# KiCad board Batch 1.kicad_pcb (continued)
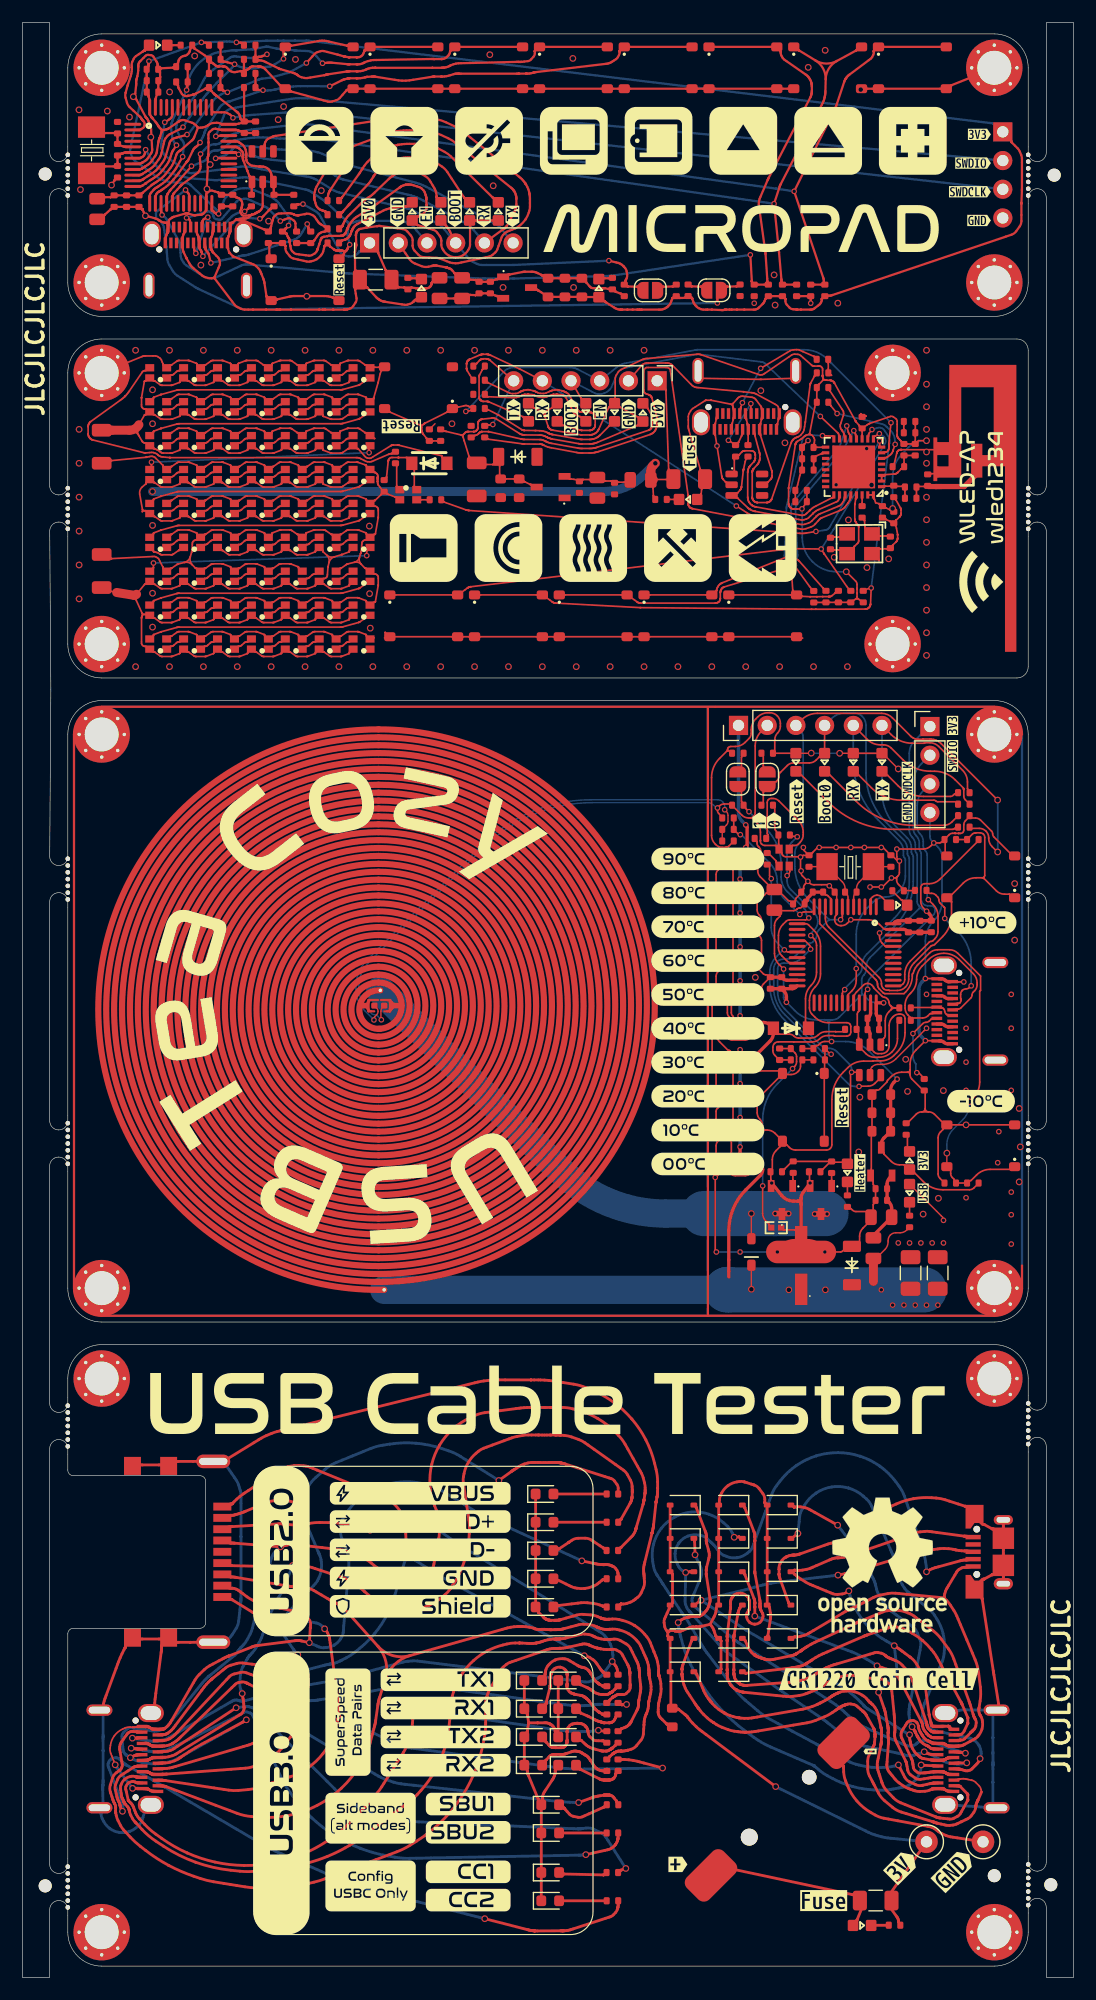
[diagram p0: board, top side]
## Routing (per net, layer and track width the routed paths; a pad name or vN(x,y) marks a point on that pad's centre or on a via; arc(x,y) is an arc through that point) (continued)
  Top w0.2: v2(15.82,171.25) 16.22,171.21 arc(16.22,171.21) 16.23,171.21 R4.1 ; v2(11.18,169.59) 11.15,169.3 arc(11.15,169.28) 11.14,169.27 11.14,169.24 arc(11.14,169.22) 11.14,169.21 11.14,169.19 arc(11.14,169.19) 11.14,169.19 11.14,169.19 arc(11.14,169.19) 11.14,169.19 arc(11.14,169.19) 11.14,169.18 11.03,168.97 arc(10.99,168.87) 10.98,168.76 10.98,168.7 arc(10.98,168.65) 10.98,168.6 10.98,168.13 arc(10.99,168.08) 10.99,168.03 10.99,167.97 arc(10.99,167.86) 10.99,167.75 10.99,166.96 arc(11,166.85) 11.04,166.75 11.15,166.54 arc(11.15,166.53) 11.15,166.53 arc(11.15,166.53) 11.15,166.52 11.15,166.51 arc(11.15,166.5) 11.16,166.48 11.16,166.45 arc(11.16,166.44) 11.17,166.42 11.21,166.26 arc(11.24,166.11) 11.25,165.96 11.25,165.01 arc(11.27,164.89) 11.32,164.77 11.38,164.67 arc(11.38,164.66) 11.39,164.65 arc(11.4,164.64) 11.4,164.63 11.42,164.61 arc(11.43,164.6) 11.44,164.59 11.44,164.59 arc(11.44,164.58) 11.45,164.58 arc(11.46,164.57) 11.46,164.57 11.47,164.56 arc(11.48,164.55) 11.49,164.54 11.51,164.52 arc(11.52,164.51) 11.53,164.49 11.75,164.23 11.81,164.15 arc(11.84,164.12) 11.87,164.08 11.92,164 arc(11.95,163.96) 11.97,163.92 12.01,163.85 arc(12.02,163.83) 12.03,163.81 12.06,163.78 arc(12.07,163.76) 12.09,163.74 12.22,163.6 ; 15.51,163.68 15.2,162.88 15.17,162.81 arc(15.15,162.77) 15.13,162.74 15.08,162.67 arc(15.06,162.64) 15.03,162.61 14.97,162.56 14.01,161.72 13.99,161.7 arc(13.97,161.69) 13.96,161.68 13.93,161.66 arc(13.92,161.66) 13.91,161.65 13.84,161.61 arc(13.8,161.58) 13.76,161.55 13.69,161.46 arc(13.66,161.42) 13.63,161.37 13.43,160.77 arc(13.39,160.66) 13.34,160.56 13.23,160.36 arc(13.17,160.26) 13.11,160.16 12.65,159.58 arc(12.57,159.49) 12.49,159.41 12.33,159.26 arc(12.25,159.18) 12.16,159.12 11.9,158.94 arc(11.83,158.89) 11.76,158.84 11.74,158.83 arc(11.69,158.8) 11.63,158.76 11.56,158.72 arc(11.54,158.7) 11.51,158.69 11.47,158.66 arc(11.45,158.64) 11.43,158.63 11.12,158.37 arc(11.12,158.36) 11.12,158.36 arc(11.12,158.36) 11.11,158.36 10.6,157.92 arc(10.6,157.92) 10.6,157.92 arc(10.6,157.92) 10.6,157.92 arc(10.6,157.92) 10.59,157.92 10.39,157.77 arc(10.29,157.73) 10.19,157.71 8.21,157.71 arc(8.1,157.7) 8,157.66 7.79,157.55 arc(7.78,157.55) 7.78,157.55 arc(7.78,157.55) 7.78,157.55 7.78,157.55 arc(7.78,157.55) 7.78,157.55 7.25,157.55 arc(7.2,157.55) 7.15,157.54 C19.1 ; 15.51,163.68 arc(15.52,163.69) 15.51,163.69 ; 15.51,163.68 arc(15.52,163.69) 15.52,163.69 ; U2.9 10.26,160 arc(10.36,160.01) 10.46,160.04 10.54,160.08 arc(10.55,160.08) 10.56,160.09 arc(10.57,160.09) 10.57,160.09 10.59,160.1 arc(10.6,160.11) 10.61,160.11 arc(10.61,160.12) 10.62,160.12 arc(10.63,160.13) 10.64,160.13 10.65,160.14 arc(10.66,160.15) 10.68,160.16 10.82,160.25 arc(10.83,160.25) 10.84,160.26 arc(10.85,160.26) 10.86,160.27 11.13,160.45 arc(11.18,160.49) 11.23,160.53 11.32,160.62 arc(11.36,160.66) 11.4,160.71 11.75,161.23 arc(11.78,161.27) 11.8,161.32 11.85,161.43 arc(11.86,161.48) 11.88,161.54 12.01,162.36 12.02,162.45 arc(12.03,162.5) 12.04,162.54 12.07,162.63 arc(12.08,162.68) 12.1,162.72 12.11,162.76 arc(12.12,162.77) 12.12,162.77 arc(12.12,162.78) 12.12,162.79 12.13,162.8 arc(12.14,162.82) 12.14,162.84 12.16,162.88 arc(12.16,162.9) 12.17,162.92 12.29,163.3 ; 15.52,163.69 15.91,163.72 arc(15.99,163.73) 16.06,163.75 16.21,163.8 arc(16.28,163.83) 16.35,163.87 16.56,164.01 arc(16.7,164.08) 16.86,164.11 17.18,164.14 arc(17.34,164.13) 17.48,164.07 17.63,164 arc(17.63,164) 17.63,164 arc(17.63,164) 17.64,164 18.64,164 arc(18.86,164.01) 19.08,164.04 19.13,164.05 arc(19.3,164.1) 19.46,164.17 19.54,164.21 ; 15.52,163.69 arc(15.52,163.69) 15.51,163.69 ; 19.71,164.25 C2.1 ; 19.71,164.25 arc(19.62,164.24) 19.54,164.21 ; 19.71,164.25 arc(19.64,164.27) 19.61,164.34 ; 12.52,163.51 12.75,163.55 arc(12.78,163.56) 12.81,163.57 12.87,163.6 arc(12.89,163.61) 12.92,163.63 13.75,164.2 arc(13.78,164.22) 13.81,164.24 13.84,164.26 arc(13.85,164.27) 13.85,164.27 arc(13.85,164.27) 13.86,164.27 13.91,164.31 arc(13.98,164.34) 14.04,164.36 14.19,164.38 arc(14.26,164.38) 14.33,164.36 14.82,164.2 15.01,164.14 arc(15.09,164.1) 15.18,164.04 15.33,163.92 arc(15.4,163.86) 15.46,163.78 15.51,163.7 arc(15.51,163.7) 15.51,163.69 ; 12.52,163.51 arc(12.36,163.51) 12.22,163.6 ; 12.52,163.51 arc(12.38,163.43) 12.29,163.3 ; 19.54,164.21 arc(19.57,164.25) 19.55,164.3 ; R2.1 19.6,167.08 arc(19.6,167.03) 19.6,166.98 19.6,164.47 arc(19.61,164.42) 19.61,164.37 19.61,164.34 ; J3.1 87.46,162.62 arc(87.49,162.58) 87.5,162.53 87.5,162.47 arc(87.5,162.46) 87.5,162.45 87.51,162.43 arc(87.52,162.42) 87.52,162.42 arc(87.53,162.41) 87.54,162.4 87.83,162.11 88.07,161.87 arc(88.17,161.74) 88.25,161.59 88.38,161.28 arc(88.43,161.12) 88.45,160.96 88.45,158.28 arc(88.45,158.25) 88.44,158.22 arc(88.44,158.18) 88.44,158.15 88.4,157.06 arc(88.4,157.05) 88.4,157.04 arc(88.4,157.03) 88.4,157.01 88.4,155.98 88.4,155.44 arc(88.36,155.19) 88.24,154.96 87.94,154.53 arc(87.76,154.35) 87.53,154.23 87.03,154.06 71.69,148.89 71.61,148.87 arc(71.57,148.85) 71.53,148.85 71.44,148.83 arc(71.4,148.83) 71.36,148.83 71.27,148.83 arc(71.22,148.82) 71.17,148.82 71.11,148.81 arc(71.01,148.77) 70.92,148.71 70.74,148.55 arc(70.74,148.54) 70.74,148.54 arc(70.74,148.54) 70.74,148.54 arc(70.74,148.54) 70.74,148.54 70.74,148.54 arc(70.74,148.53) 70.74,148.53 arc(70.74,148.53) 70.74,148.53 70.74,148.53 arc(70.74,148.52) 70.74,148.51 70.73,148.44 arc(70.72,148.37) 70.69,148.3 70.62,148.16 arc(70.58,148.1) 70.52,148.05 70.06,147.69 arc(70.02,147.66) 69.98,147.64 69.89,147.62 arc(69.84,147.6) 69.8,147.6 69.7,147.6 68.88,147.6 68.57,147.6 arc(68.56,147.6) 68.55,147.6 68.53,147.6 arc(68.51,147.6) 68.5,147.6 68.15,147.64 arc(67.99,147.69) 67.86,147.79 67.63,148.04 arc(67.54,148.18) 67.51,148.35 67.51,148.53 arc(67.51,148.53) 67.51,148.53 67.51,148.54 arc(67.51,148.54) 67.51,148.54 arc(67.51,148.54) 67.51,148.54 arc(67.51,148.54) 67.51,148.55 67.33,148.71 arc(67.24,148.77) 67.14,148.79 66.11,148.79 arc(66.01,148.77) 65.92,148.71 65.74,148.55 arc(65.74,148.54) 65.74,148.54 arc(65.74,148.54) 65.74,148.54 arc(65.74,148.54) 65.74,148.54 65.64,148.3 arc(65.63,148.27) 65.61,148.24 65.57,148.18 arc(65.55,148.16) 65.53,148.13 65.1,147.72 arc(65.06,147.69) 65.01,147.66 64.91,147.62 arc(64.86,147.61) 64.8,147.6 64.69,147.6 63.87,147.6 63.22,147.6 62.75,147.6 62.56,147.6 62.27,147.6 arc(62.25,147.6) 62.23,147.6 62.2,147.59 arc(62.18,147.59) 62.17,147.59 62.15,147.58 arc(62.14,147.58) 62.14,147.58 62.11,147.58 arc(62.08,147.57) 62.04,147.57 61.98,147.56 arc(61.94,147.56) 61.91,147.56 61.84,147.56 61.03,147.6 arc(61.02,147.6) 61,147.6 arc(60.99,147.6) 60.98,147.6 60.6,147.6 60.24,147.6 arc(60.14,147.61) 60.04,147.64 59.85,147.72 arc(59.76,147.77) 59.68,147.84 59.53,148 arc(59.49,148.04) 59.46,148.09 59.41,148.18 arc(59.38,148.23) 59.36,148.27 59.27,148.56 arc(59.26,148.57) 59.26,148.58 59.26,148.58 arc(59.26,148.59) 59.26,148.59 arc(59.26,148.59) 59.25,148.6 59.25,148.6 arc(59.25,148.6) 59.25,148.61 59.24,148.62 arc(59.24,148.62) 59.23,148.63 59.23,148.63 arc(59.23,148.63) 59.23,148.63 59.23,148.63 arc(59.23,148.63) 59.23,148.63 arc(59.22,148.64) 59.22,148.64 59.22,148.64 arc(59.22,148.64) 59.22,148.64 arc(59.22,148.64) 59.22,148.64 arc(59.22,148.64) 59.21,148.64 59.06,148.72 arc(58.9,148.76) 58.74,148.72 58.59,148.64 arc(58.58,148.64) 58.58,148.64 58.58,148.64 arc(58.58,148.64) 58.58,148.64 arc(58.58,148.64) 58.58,148.64 58.17,148.63 arc(58.17,148.63) 58.17,148.63 58.17,148.63 arc(58.17,148.63) 58.16,148.63 58.01,148.71 arc(57.85,148.75) 57.69,148.71 57.54,148.63 arc(57.53,148.63) 57.53,148.63 57.53,148.63 arc(57.53,148.63) 57.53,148.63 57.53,148.63 arc(57.53,148.63) 57.52,148.62 arc(57.52,148.62) 57.52,148.62 57.52,148.62 arc(57.52,148.62) 57.52,148.62 57.52,148.62 arc(57.51,148.61) 57.51,148.61 57.5,148.6 arc(57.5,148.59) 57.5,148.59 57.49,148.59 arc(57.49,148.58) 57.49,148.58 arc(57.49,148.58) 57.49,148.57 57.49,148.57 arc(57.49,148.56) 57.48,148.55 57.38,148.25 arc(57.35,148.18) 57.32,148.12 57.23,148.01 arc(57.19,147.95) 57.14,147.9 56.96,147.76 arc(56.89,147.72) 56.81,147.68 56.66,147.63 arc(56.57,147.61) 56.49,147.6 54.79,147.6 arc(54.79,147.6) 54.79,147.6 54.66,147.6 arc(54.64,147.6) 54.62,147.6 54.6,147.6 arc(54.6,147.6) 54.59,147.6 arc(54.59,147.6) 54.59,147.6 54.58,147.6 arc(54.57,147.6) 54.56,147.6 54.41,147.6 53.99,147.6 53.53,147.6 53.07,147.6 arc(53.07,147.6) 53.07,147.6 52.98,147.6 arc(52.96,147.6) 52.94,147.6 52.94,147.6 arc(52.93,147.6) 52.92,147.6 arc(52.91,147.6) 52.91,147.6 52.85,147.6 arc(52.78,147.61) 52.71,147.62 52.59,147.66 arc(52.52,147.69) 52.46,147.72 51.69,148.2 51.65,148.23 arc(51.63,148.24) 51.61,148.25 51.57,148.28 arc(51.55,148.3) 51.54,148.31 51.51,148.34 arc(51.51,148.34) 51.51,148.34 arc(51.51,148.34) 51.5,148.34 51.5,148.34 arc(51.5,148.34) 51.5,148.35 arc(51.5,148.35) 51.5,148.35 arc(51.49,148.35) 51.49,148.35 51.16,148.58 arc(50.99,148.67) 50.8,148.71 50.65,148.71 arc(50.6,148.71) 50.55,148.71 49.93,148.71 arc(49.88,148.71) 49.83,148.71 49.69,148.72 arc(49.5,148.72) 49.31,148.73 46.69,148.73 arc(46.51,148.75) 46.35,148.83 46.23,148.91 arc(46.06,149.03) 45.88,149.14 45.69,149.26 arc(45.68,149.27) 45.66,149.28 45.64,149.29 arc(45.63,149.3) 45.62,149.31 45.61,149.32 arc(45.61,149.32) 45.6,149.32 arc(45.6,149.33) 45.59,149.33 45.59,149.33 arc(45.58,149.34) 45.58,149.34 45.56,149.35 arc(45.55,149.35) 45.54,149.35 45.48,149.35 arc(45.44,149.36) 45.39,149.37 LDO1.3 ; R10.1 19.33,171.21 arc(19.32,171.21) 19.32,171.21 19.32,171.21 v2(18.92,171.25) ; R8.1 13.75,167.44 arc(13.75,167.43) 13.75,167.43 13.75,167.43 arc(13.75,167.43) 13.75,167.43 arc(13.75,167.43) 13.75,167.43 13.75,167.39 arc(13.76,167.36) 13.77,167.32 13.79,167.26 arc(13.8,167.22) 13.81,167.19 13.85,167.13 14.1,166.69 arc(14.15,166.63) 14.22,166.58 14.39,166.51 arc(14.47,166.49) 14.55,166.49 14.63,166.51 arc(14.64,166.52) 14.65,166.52 14.65,166.52 arc(14.65,166.52) 14.65,166.52 arc(14.66,166.52) 14.66,166.52 15.04,166.61 arc(15.06,166.61) 15.08,166.62 15.08,166.62 arc(15.09,166.62) 15.11,166.63 15.15,166.64 arc(15.17,166.64) 15.2,166.65 15.24,166.67 arc(15.27,166.68) 15.29,166.69 15.33,166.72 16.18,167.16 arc(16.18,167.16) 16.19,167.16 16.2,167.16 arc(16.21,167.16) 16.21,167.17 16.27,167.17 arc(16.32,167.17) 16.36,167.19 16.4,167.21 arc(16.48,167.22) 16.54,167.17 16.7,166.96 arc(16.7,166.95) 16.7,166.95 arc(16.7,166.95) 16.7,166.95 arc(16.7,166.95) 16.7,166.95 16.89,166.75 arc(16.91,166.74) 16.92,166.72 16.94,166.7 arc(16.94,166.7) 16.94,166.69 arc(16.95,166.69) 16.95,166.68 16.96,166.68 arc(16.97,166.66) 16.98,166.65 17,166.63 arc(17.01,166.62) 17.03,166.61 17.06,166.59 arc(17.06,166.59) 17.07,166.59 arc(17.07,166.59) 17.07,166.58 arc(17.08,166.58) 17.08,166.58 17.09,166.57 arc(17.1,166.57) 17.1,166.57 arc(17.11,166.56) 17.11,166.56 17.12,166.56 arc(17.12,166.55) 17.13,166.55 17.15,166.53 arc(17.16,166.53) 17.16,166.52 17.18,166.51 18.89,165.16 arc(18.91,165.15) 18.93,165.13 18.97,165.1 arc(18.99,165.08) 19.01,165.06 19.07,165.01 arc(19.1,164.98) 19.12,164.95 19.16,164.88 arc(19.18,164.85) 19.2,164.81 19.31,164.49 arc(19.31,164.49) 19.31,164.48 arc(19.31,164.48) 19.31,164.48 19.31,164.48 arc(19.31,164.47) 19.31,164.47 arc(19.31,164.47) 19.32,164.47 19.32,164.47 arc(19.32,164.47) 19.32,164.47 arc(19.32,164.47) 19.32,164.46 19.32,164.46 arc(19.32,164.46) 19.32,164.46 19.32,164.46 arc(19.32,164.46) 19.32,164.46 arc(19.32,164.46) 19.33,164.46 19.55,164.3 ; 12.22,163.6 arc(12.3,163.46) 12.29,163.3 ; 19.55,164.3 arc(19.59,164.3) 19.61,164.34 ; v2(23.54,155.05) 23.44,154.92 arc(23.42,154.89) 23.39,154.87 23.35,154.83 arc(23.32,154.8) 23.3,154.79 23.28,154.77 arc(23.27,154.77) 23.27,154.77 23.27,154.76 arc(23.27,154.76) 23.26,154.76 23.26,154.76 arc(23.26,154.76) 23.26,154.76 arc(23.26,154.76) 23.26,154.75 23.13,154.63 arc(23.09,154.52) 23.16,154.43 23.31,154.35 arc(23.32,154.35) 23.32,154.35 arc(23.32,154.35) 23.32,154.35 arc(23.32,154.35) 23.32,154.35 23.32,154.35 arc(23.32,154.35) 23.33,154.34 arc(23.33,154.34) 23.33,154.34 23.33,154.34 arc(23.33,154.34) 23.33,154.34 23.33,154.34 arc(23.34,154.34) 23.34,154.33 23.35,154.32 arc(23.35,154.32) 23.35,154.32 arc(23.35,154.31) 23.35,154.31 23.46,154.06 arc(23.47,154.04) 23.48,154.03 23.5,153.99 arc(23.51,153.98) 23.53,153.96 23.56,153.92 arc(23.58,153.9) 23.59,153.87 23.61,153.81 arc(23.62,153.78) 23.62,153.75 23.62,153.62 arc(23.63,153.61) 23.63,153.6 23.63,153.59 arc(23.63,153.58) 23.63,153.57 23.69,153.26 arc(23.69,153.25) 23.69,153.25 23.75,152.96 arc(23.79,152.86) 23.86,152.77 24.03,152.61 arc(24.12,152.55) 24.23,152.52 24.46,152.49 25.35,152.37 arc(25.48,152.38) 25.6,152.42 25.84,152.56 arc(25.95,152.64) 26.02,152.75 26.09,152.91 arc(26.09,152.92) 26.1,152.93 arc(26.1,152.93) 26.11,152.94 26.11,152.96 arc(26.12,152.97) 26.12,152.98 arc(26.12,152.99) 26.13,153 26.25,153.37 arc(26.25,153.38) 26.25,153.38 arc(26.25,153.38) 26.25,153.39 26.39,153.81 arc(26.4,153.83) 26.41,153.84 26.43,153.87 arc(26.43,153.89) 26.44,153.9 26.45,153.91 arc(26.46,153.91) 26.46,153.92 arc(26.47,153.93) 26.48,153.94 26.49,153.95 arc(26.51,153.97) 26.53,153.99 26.58,154.02 arc(26.61,154.03) 26.63,154.04 26.97,154.1 arc(26.97,154.1) 26.97,154.1 arc(26.97,154.1) 26.98,154.1 27.08,154.12 arc(27.08,154.12) 27.09,154.12 27.1,154.12 arc(27.11,154.12) 27.12,154.13 28.17,154.13 arc(28.18,154.13) 28.18,154.13 28.19,154.13 arc(28.19,154.13) 28.19,154.13 arc(28.2,154.13) 28.2,154.13 28.27,154.13 arc(28.29,154.13) 28.31,154.14 28.34,154.15 arc(28.36,154.16) 28.38,154.17 28.43,154.2 arc(28.43,154.21) 28.44,154.21 28.46,154.22 arc(28.46,154.23) 28.47,154.24 arc(28.48,154.24) 28.48,154.25 28.54,154.31 arc(28.55,154.32) 28.56,154.33 28.58,154.36 arc(28.58,154.38) 28.59,154.39 28.71,154.67 arc(28.71,154.68) 28.72,154.69 28.73,154.71 arc(28.73,154.72) 28.74,154.74 28.74,154.74 arc(28.74,154.75) 28.75,154.75 28.75,154.76 arc(28.76,154.77) 28.76,154.78 28.77,154.79 arc(28.77,154.8) 28.77,154.81 28.79,154.87 arc(28.81,154.91) 28.83,154.94 28.87,155.02 arc(28.89,155.05) 28.91,155.09 29.02,155.26 29.13,155.41 arc(29.18,155.48) 29.24,155.54 29.37,155.67 arc(29.44,155.73) 29.51,155.78 29.67,155.87 30.89,156.64 arc(31.01,156.72) 31.14,156.8 arc(31.26,156.88) 31.38,156.97 33.36,158.4 arc(33.38,158.41) 33.4,158.42 33.4,158.43 arc(33.41,158.44) 33.42,158.44 33.44,158.45 arc(33.44,158.45) 33.44,158.45 arc(33.44,158.45) 33.44,158.45 33.51,158.5 arc(33.55,158.53) 33.6,158.55 33.7,158.59 arc(33.75,158.61) 33.8,158.62 33.88,158.64 arc(33.88,158.64) 33.89,158.64 arc(33.89,158.64) 33.89,158.64 33.94,158.65 arc(33.97,158.65) 34,158.66 34.05,158.66 arc(34.08,158.66) 34.1,158.67 34.27,158.67 arc(34.31,158.66) 34.36,158.66 34.44,158.65 arc(34.48,158.64) 34.52,158.63 35.13,158.44 arc(35.23,158.39) 35.31,158.32 35.48,158.16 arc(35.55,158.08) 35.59,157.98 35.68,157.73 arc(35.68,157.71) 35.69,157.7 arc(35.69,157.68) 35.7,157.66 35.71,157.63 arc(35.71,157.61) 35.71,157.59 35.72,157.52 arc(35.72,157.51) 35.72,157.51 arc(35.72,157.5) 35.72,157.49 35.73,157.48 arc(35.73,157.47) 35.73,157.47 arc(35.73,157.46) 35.73,157.45 35.73,157.37 arc(35.73,157.36) 35.73,157.35 arc(35.73,157.34) 35.73,157.33 35.75,156.91 arc(35.75,156.89) 35.75,156.88 arc(35.75,156.87) 35.75,156.85 35.75,156.73 arc(35.75,156.72) 35.75,156.71 35.75,156.69 arc(35.75,156.68) 35.75,156.67 35.73,156.53 arc(35.71,156.44) 35.67,156.35 35.55,156.18 arc(35.49,156.11) 35.4,156.05 35.22,155.96 34.98,155.85 arc(34.98,155.85) 34.98,155.85 34.98,155.84 arc(34.98,155.84) 34.98,155.84 arc(34.97,155.84) 34.97,155.84 34.73,155.67 arc(34.63,155.48) 34.71,155.29 34.95,155.08 arc(34.95,155.08) 34.95,155.08 34.96,155.08 arc(34.96,155.08) 34.96,155.08 35.96,154.78 36.36,154.65 arc(36.54,154.57) 36.69,154.42 36.94,154.09 arc(37.03,153.91) 37.06,153.71 37.06,153.33 arc(37.08,153.17) 37.15,153.01 37.23,152.87 arc(37.43,152.6) 37.7,152.4 arc(38,152.27) 38.33,152.23 arc(38.66,152.27) 38.97,152.4 arc(39.23,152.6) 39.43,152.87 39.51,153.01 arc(39.58,153.17) 39.6,153.33 39.6,155.06 arc(39.6,155.11) 39.59,155.16 39.58,155.3 arc(39.62,155.43) 39.75,155.49 LED2.2 ; U2.24 16.75,156.54 arc(16.75,156.49) 16.75,156.44 16.75,156.42 arc(16.76,156.4) 16.78,156.38 arc(16.8,156.37) 16.82,156.36 16.85,156.33 arc(16.87,156.31) 16.89,156.29 16.99,156.19 arc(17.01,156.17) 17.03,156.16 17.08,156.13 arc(17.1,156.12) 17.13,156.11 17.16,156.1 arc(17.16,156.09) 17.16,156.09 17.18,156.09 arc(17.2,156.08) 17.22,156.08 17.26,156.07 arc(17.28,156.07) 17.3,156.07 17.31,156.07 arc(17.33,156.07) 17.34,156.07 v2(17.35,156.08) 17.39,156.47 arc(17.39,156.47) 17.39,156.47 arc(17.39,156.47) 17.39,156.48 17.53,156.65 arc(17.61,156.72) 17.71,156.74 C4.1
  Top w0.3: 69.42,95.3 69.42,95.3 arc(69.42,95.3) 69.42,95.3 69.42,95.38 arc(69.44,95.45) 69.48,95.51 69.72,95.75 ; 66.9,94.09 66.7,94.29 ; U6.48 77.18,93.38 arc(77.32,93.48) 77.49,93.51 78.39,93.51 arc(78.4,93.51) 78.41,93.52 arc(78.41,93.52) 78.42,93.52 C79.1 80.42,93.74 arc(80.38,93.93) 80.27,94.1 v2(80.01,94.36) ; v2(67.6,86.3) 67.6,86.78 arc(67.55,87.06) 67.39,87.29 ; 66.88,87.5 C78.1 ; 66.88,87.5 67.48,87.5 ; 66.88,87.5 arc(67.16,87.45) 67.39,87.29 ; C74.1 69.21,95.33 ; U6.24 68.43,87.62 arc(68.29,87.53) 68.12,87.5 67.48,87.5 ; v2(76.2,86.25) U6.36 75.55,85.31 arc(75.58,85.14) 75.68,85 arc(75.77,84.87) 75.8,84.7 C69.1 ; v2(77.4,79.5) 77.11,79.21 arc(76.9,78.89) 76.83,78.53 C82.1 C83.1 76.22,74.27 arc(76.06,74.03) 76,73.75 76,73.69 arc(76.03,73.44) 76.11,73.21 ; 70.2,96.05 70.58,96.05 ; 67.48,87.5 arc(67.36,87.42) 67.39,87.29 ; C67.1 70.95,96.05
  Bottom w0.127: v1(69.8,108.35) 69.81,108.34 v1(72.31,108.34) ; v1(77.5,106.95) 78.47,106.95
  Bottom w0.15: J7.1 79.55,109.95 arc(79.52,109.93) 79.49,109.93 79.43,109.93 arc(79.42,109.92) 79.41,109.91 78.95,109.45 arc(78.6,108.93) 78.47,108.31 78.47,101.54 arc(78.54,101.19) 78.74,100.89 arc(78.94,100.6) 79.01,100.25 79.01,99.74 arc(79.03,99.63) 79.09,99.54 arc(79.15,99.44) 79.17,99.33 79.17,95.2 arc(79.21,95.01) 79.32,94.85 ; 71.01,84.75 70.25,84.75 arc(69.24,84.95) 68.38,85.52 v2(67.6,86.3) 67.48,86.42 arc(67.38,86.56) 67.35,86.73 v2(67.35,89.24) ; 71.01,84.75 71.7,84.75 ; 71.01,84.75 arc(71.25,84.65) 71.35,84.4 ; 79.32,94.85 79.6,94.57 ; 79.32,94.85 arc(79.38,94.71) 79.32,94.57 ; 79.6,94.57 79.74,94.43 arc(79.82,94.38) 79.91,94.36 v2(80.01,94.36) ; 79.6,94.57 arc(79.46,94.63) 79.32,94.57 ; 71.7,84.75 arc(72.01,84.81) 72.28,84.99 74.29,87 ; 71.7,84.75 arc(71.45,84.65) 71.35,84.4 ; v1(77,130) 77,132.76 arc(77.23,133.91) 77.88,134.88 78.41,135.41 arc(79.06,135.85) 79.83,136 v1(80,136) ; v1(72.9,124.4) 72.04,124.4 arc(70.89,124.63) 69.92,125.28 69.88,125.32 arc(69.23,126.29) 69,127.44 69,129.93 arc(69,129.94) 68.99,129.96 v2(68.98,129.97) ; v2(77.4,79.5) 74.95,81.95 arc(73.98,82.6) 72.83,82.83 v2(71.6,82.83) 71.47,82.95 arc(71.38,83.08) 71.35,83.24 71.35,84.4 ; 74.29,87 arc(74.32,87.01) 74.35,87 ; 74.29,87 arc(74.3,87.03) 74.29,87.05 ; 79.32,94.57 75,90.26 arc(74.75,89.87) 74.66,89.41 74.66,89.18 arc(74.61,88.94) 74.47,88.73 74.46,88.72 arc(74.31,88.5) 74.26,88.25 74.26,87.12 arc(74.27,87.08) 74.29,87.05 ; 74.29,87.05 74.35,87 ; 74.35,87 74.71,86.64 arc(75.14,86.35) 75.64,86.25 v2(76.2,86.25)
  Bottom w0.2: J3.1 86.04,164.04 arc(86,164.07) 85.95,164.08 85.9,164.08 arc(85.9,164.08) 85.9,164.08 85.89,164.08 arc(85.89,164.08) 85.89,164.08 arc(85.89,164.08) 85.89,164.08 25.38,171.38 25.32,171.39 arc(25.29,171.39) 25.26,171.39 25.2,171.4 arc(25.18,171.4) 25.15,171.4 24.11,171.4 23.09,171.4 22.59,171.4 21.66,171.4 arc(21.63,171.4) 21.59,171.4 arc(21.56,171.4) 21.52,171.4 v2(18.92,171.25) 18.79,171.27 arc(18.68,171.29) 18.56,171.3 18.32,171.32 arc(18.2,171.33) 18.08,171.33 v2(15.82,171.25) v2(11.18,169.59) 9.61,162.23 9.53,161.84 arc(9.52,161.65) 9.56,161.46 9.7,161.09 arc(9.79,160.92) 9.93,160.78 11.46,159.65 11.85,159.36 arc(12.06,159.23) 12.28,159.13 12.73,158.97 arc(12.96,158.9) 13.2,158.87 13.69,158.85 14.4,158.81 14.51,158.8 arc(14.56,158.8) 14.62,158.78 14.72,158.73 arc(14.77,158.71) 14.81,158.67 14.89,158.6 17.04,156.54 17.13,156.46 arc(17.17,156.41) 17.21,156.36 17.27,156.26 arc(17.3,156.2) 17.33,156.14 17.34,156.09 arc(17.35,156.08) 17.35,156.08 v2(17.35,156.08) 17.66,156.86 17.81,157.24 arc(17.91,157.42) 18.03,157.58 18.18,157.73 arc(18.48,157.99) 18.84,158.18 arc(19.22,158.3) 19.62,158.35 19.83,158.35 arc(20.03,158.33) 20.22,158.28 21.94,157.6 arc(22.07,157.53) 22.2,157.45 22.44,157.26 arc(22.56,157.16) 22.65,157.04 23.41,156.01 23.54,155.83 arc(23.6,155.73) 23.62,155.62 23.64,155.38 arc(23.63,155.27) 23.6,155.16 v2(23.54,155.05)
+3V0: length 80.6
  Top w0.25: 61.67,42.03 61.67,42.25 arc(61.69,42.46) 61.77,42.67 61.87,42.86 arc(62.11,43.22) 62.43,43.52 arc(62.81,43.73) 63.22,43.85 63.44,43.89 arc(63.66,43.9) 63.87,43.85 64.75,43.57 arc(64.99,43.45) 65.18,43.26 65.51,42.82 arc(65.64,42.58) 65.69,42.31 65.69,42.04 arc(65.69,42.03) 65.69,42.03 65.69,42.03 arc(65.69,42.03) 65.69,42.02 65.69,42.02 ; 57.52,33.17 57.52,33.17 arc(57.52,33.18) 57.52,33.18 57.52,35.67 arc(57.52,35.67) 57.52,35.68 57.52,35.68 ; 77.52,4.94 77.52,4.99 arc(77.51,5.04) 77.5,5.1 77.47,5.2 arc(77.45,5.25) 77.42,5.3 76.81,6.14 ; 57.1,30.58 57.1,30.23 arc(57.1,30.23) 57.1,30.22 57.1,30.22 ; 57.1,30.58 arc(57.1,30.58) 57.1,30.58 ; 57.1,30.58 arc(57.1,30.58) 57.1,30.58 ; 61.61,41.57 61.61,39.08 ; 61.61,35.67 61.61,33.18 ; v1(66.65,16.88) 60.48,21.5 59.95,21.9 arc(59.78,22.04) 59.61,22.19 59.3,22.5 arc(59.15,22.66) 59.01,22.84 58.83,23.07 arc(58.81,23.09) 58.79,23.12 58.74,23.17 arc(58.72,23.19) 58.69,23.21 58.05,23.73 arc(58.04,23.74) 58.03,23.74 58.01,23.75 arc(58,23.75) 57.99,23.75 57.98,23.75 ; 65.96,30.23 65.96,30.23 arc(65.96,30.23) 65.96,30.23 65.96,30.24 arc(65.96,30.24) 65.96,30.24 arc(65.96,30.24) 65.96,30.25 66.2,31.82 arc(66.2,31.88) 66.2,31.93 66.2,32.03 arc(66.2,32.08) 66.2,32.13 66.11,32.73 ; 57.25,32.72 57.25,32.72 arc(57.25,32.71) 57.25,32.7 57.24,32.69 arc(57.24,32.69) 57.24,32.68 arc(57.24,32.67) 57.23,32.67 56.82,31.74 arc(56.77,31.57) 56.77,31.4 56.83,31.04 arc(56.88,30.87) 56.98,30.72 57.1,30.59 arc(57.1,30.59) 57.1,30.58 ; 61.4,32.73 61.4,32.62 arc(61.39,32.51) 61.37,32.41 61.32,32.2 arc(61.29,32.1) 61.24,32 60.85,31.25 ; 76.81,7.46 TP2.1 ; 57.37,24.23 57.37,26.82 ; 61.61,38.62 61.61,36.13 ; 57.31,41.57 57.31,39.08 ; 61.81,29.78 61.81,29.78 arc(61.81,29.77) 61.81,29.77 61.81,27.28 arc(61.81,27.28) 61.81,27.27 61.81,27.27 ; 61.36,30.2 61.36,30.21 arc(61.36,30.21) 61.35,30.21 arc(61.35,30.21) 61.35,30.21 61.17,30.74 arc(61.14,30.82) 61.1,30.9 61.01,31.04 arc(60.97,31.11) 60.91,31.18 60.86,31.23 arc(60.85,31.24) 60.85,31.24 ; 57.1,30.58 57.12,30.6 arc(57.13,30.6) 57.14,30.61 57.17,30.63 arc(57.18,30.63) 57.19,30.64 57.36,30.7 arc(57.4,30.71) 57.44,30.72 57.52,30.72 arc(57.56,30.72) 57.6,30.71 57.68,30.69 arc(57.68,30.69) 57.69,30.68 arc(57.69,30.68) 57.7,30.68 57.71,30.68 arc(57.71,30.68) 57.72,30.68 arc(57.72,30.67) 57.72,30.67 57.73,30.67 arc(57.73,30.67) 57.74,30.67 57.8,30.64 arc(57.87,30.62) 57.94,30.61 58.09,30.61 arc(58.17,30.62) 58.24,30.64 58.45,30.72 59.09,30.98 arc(59.13,30.99) 59.16,31 59.24,31.01 arc(59.27,31.02) 59.31,31.02 59.6,31.02 arc(59.61,31.02) 59.61,31.02 59.67,31.02 arc(59.72,31.02) 59.77,31.02 59.87,31.03 arc(59.92,31.04) 59.97,31.05 60.12,31.08 60.84,31.24 ; 57.1,30.58 arc(57.1,30.58) 57.1,30.58 ; 57.31,27.28 57.31,29.77 ; 65.9,41.57 65.9,39.08 ; 60.84,31.24 arc(60.85,31.25) 60.85,31.25 ; 60.84,31.24 arc(60.85,31.24) 60.85,31.24 ; 65.9,35.67 65.9,33.18 ; 57.31,38.62 57.31,36.13 ; 65.9,38.62 65.9,36.13 ; 60.85,31.25 arc(60.85,31.25) 60.85,31.24
  Bottom w0.25: TP2.1 76.58,12.34 arc(76.29,12.38) 76,12.45 75.44,12.61 arc(75.16,12.7) 74.9,12.82 74.11,13.21 v1(66.65,16.88)
